# Altium PCB EMDO601_Patch.PcbDoc (part 1 of 3) (continued)
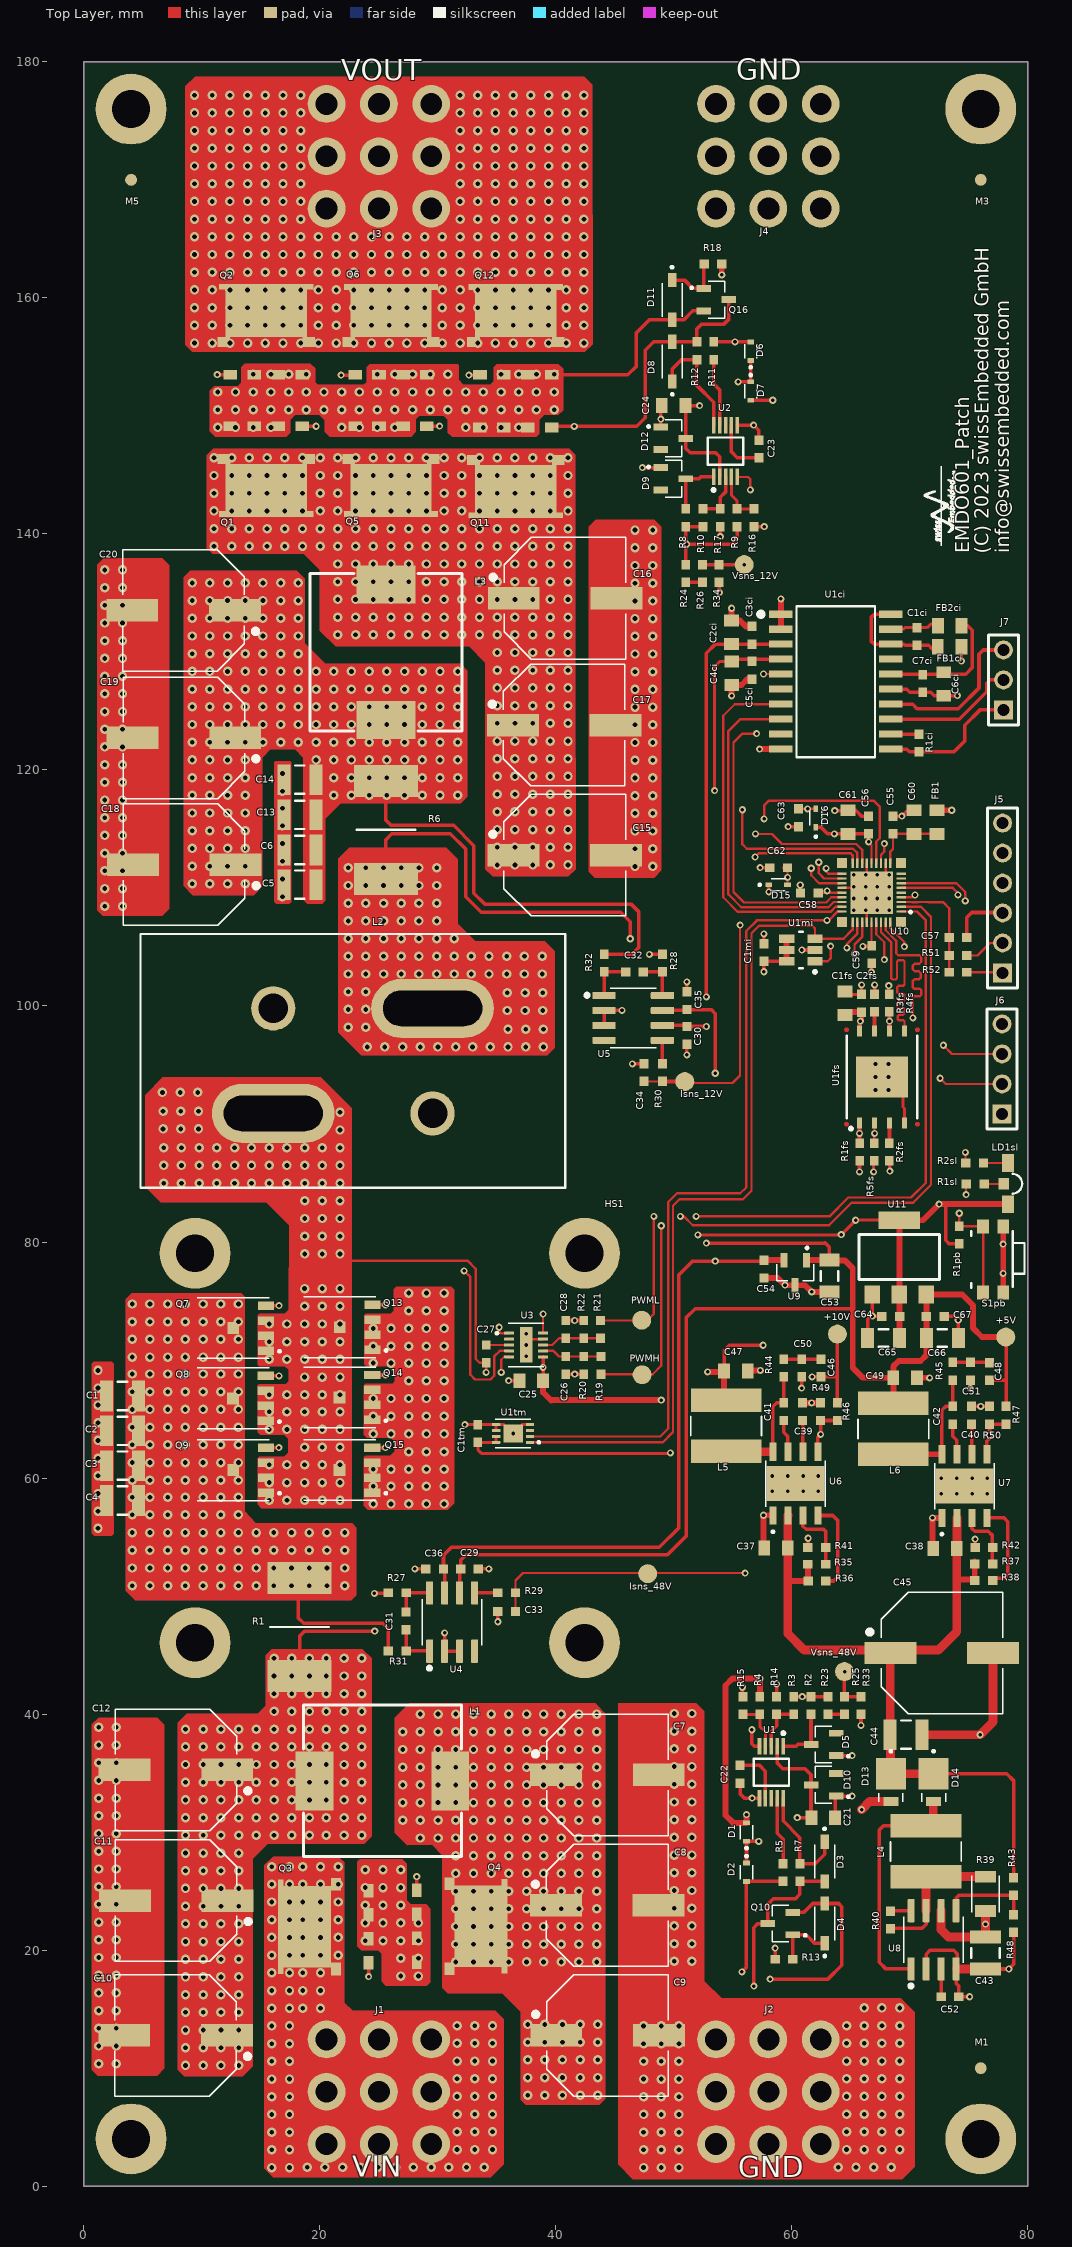
[diagram p0: Top Layer view]
## Components (designator, comment, footprint, x,y, rotation, side; value= is the part's Value field where it differs from the comment)
+5V "NO FIT" TP_1 78.125,71.95 r180 top value=TP
+10V "NO FIT" TP_1 63.85,72.2 r0 top value=TP
C1 "4.7u/75V" C1210 3.275,66.95 r180 top
C1ci "100n" C0603 70.588,131.305 r270 top
C1fs "10u" C0805 64.5,100.233 r270 top
C1mi "100n" C0603 57.625,104.528 r270 top
C1tm "100n" C0603 33.381,63.775 r270 top
C2 "4.7u/75V" C1210 3.275,64 r180 top
C2ci "10u" C0805 54.887,131.668 r270 top
C2fs "100n" C0603 65.9,100.233 r270 top
C3 "4.7u/75V" C1210 3.275,61.05 r180 top
C3ci "100n" C0603 56.612,131.418 r270 top
C4 "4.7u/75V" C1210 3.275,58.1 r180 top
C4ci "10u" C0805 54.894,128.2 r90 top
C5 "4.7u/75V" C1210 18.3,110.275 r180 top
C5ci "100n" C0603 56.619,128.45 r90 top
C6 "4.7u/75V" C1210 18.3,113.225 r180 top
C6ci "10u" C0805 72.863,127.28 r90 top
C7 "100uF/80V" CAP_80SXV47M 44.364,34.848 r0 top
C7ci "100n" C0603 71.088,127.33 r90 top
C8 "100uF/80V" CAP_80SXV47M 44.35,23.8 r0 top
C9 "100uF/80V" CAP_80SXV47M 44.375,12.775 r0 top
C10 "100uF/80V" CAP_80SXV47M 7.775,12.775 r180 top
C11 "100uF/80V" CAP_80SXV47M 7.825,24.2 r180 top
C12 "100uF/80V" CAP_80SXV47M 7.8,35.275 r180 top
C13 "4.7u/75V" C1210 18.3,116.2 r180 top
C14 "4.7u/75V" C1210 18.3,119.175 r180 top
C15 "100uF/63V" CAP_80SXV47M 40.75,112.775 r0 top
C16 "100uF/63V" CAP_80SXV47M 40.775,134.55 r0 top
C17 "100uF/63V" CAP_80SXV47M 40.7,123.8 r0 top
C18 "100uF/63V" CAP_80SXV47M 8.5,111.975 r180 top
C19 "100uF/63V" CAP_80SXV47M 8.475,122.725 r180 top
C20 "100uF/63V" CAP_80SXV47M 8.45,133.525 r180 top
C21 "10n/100V" C0805 62.65,31.225 r180 top
C22 "47n" C0603 55.6,34.9 r90 top
C23 "47n" C0603 57.2,147.2 r270 top
C24 "10n/100V" C0805 49.975,150.875 r0 top
C25 "10u/25V" C0805 37.91,68.25 r0 top
C26 "100pF" C0603 40.835,69.55 r270 top
C27 "100n" C0603 34.091,70.525 r90 top
C28 "100pF" C0603 40.835,72.6 r90 top
C29 "100n" C0603 32.675,52.3 r180 top
C30 "100n" C0603 51.1,97.51 r90 top
C31 "100n" C0603 27.3,47.9 r90 top
C32 "100n" C0603 46.65,102.885 r0 top
C33 "100n" C0603 35.825,48.7 r0 top
C34 "100n" C0603 47.45,94.36 r270 top
C35 "100n" C0603 51.1,100.45 r270 top
C36 "100n" C0603 29.725,52.3 r0 top
C37 "220nF/100V" C0805 58.65,54.075 r0 top
C38 "220nF/100V" C0805 72.965,54.02 r0 top
C39 "1uF" C0603 60.9,65.625 r270 top
C40 "1uF" C0603 75.225,65.325 r270 top
C41 "10nF/100V" C0603 59.3,65.625 r270 top
C42 "10nF/100V" C0603 73.625,65.325 r270 top
C43 "4.7u/75V" C1210 76.4,19.75 r90 top
C44 "4.7u/75V" C1210 69.675,38.25 r180 top
C45 "100uF/63V" CAP_80SXV47M 72.7,45.175 r0 top
C46 "3.3nF/100V" C0603 62.45,69.325 r90 top
C47 "10u/25V" C0805 55.25,69.075 r180 top
C48 "3.3nF/100V" C0603 76.725,69.025 r90 top
C49 "10u/25V" C0805 69.59,68.495 r180 top
C50 "10nF/100V" C0603 60.825,69.325 r90 top
C51 "10nF/100V" C0603 75.125,69.05 r90 top
C52 "390p" C0603 73.4,16.05 r180 top
C53 "10u" C1206 63.175,77.125 r90 top
C54 "100nF" C0603 57.625,77.7 r90 top
C55 "100n" C0603 68.568,115.333 r270 top
C56 "100n" C0603 66.493,115.333 r270 top
C57 "56pF" C0603 74.068,105.808 r0 top
C58 "100n" C0603 61.475,109.578 r0 top
C59 "100n" C0603 66.768,104.353 r90 top
C60 "22u/25V" C0805 70.343,115.583 r270 top
C61 "22u/25V" C0805 64.743,115.583 r270 top
C62 "1nF/50V" C0603 58.875,111.715 r0 top
C63 "1nF/50V" C0603 60.552,115.952 r90 top
C64 "100nF" C0603 68.367,73.697 r0 top
C65 "10u" C1206 67.767,71.872 r0 top
C66 "10u" C1206 72.742,71.872 r180 top
C67 "100nF" C0603 72.142,73.697 r180 top
D1 "BAS516,115" SOD523#1 56.15,30 r90 top
D2 "BAS516,115" SOD523#1 56.15,26.6 r270 top
D3 "1N4148W-7-F" SOD-123 62.775,27.5 r270 top
D4 "1N4148W-7-F" SOD-123 62.775,22.27 r90 top
D5 "68V" SOT23-3 62.675,37.425 r180 top
D6 "BAS516,115" SOD523#1 56.5,155.475 r90 top
D7 "BAS516,115" SOD523#1 56.5,152.1 r270 top
D8 "1N4148W-7-F" SOD-123 49.85,154.6 r90 top
D9 "68V" SOT23-3 49.95,144.675 r0 top
D10 "68V" SOT23-3 62.675,34 r180 top
D11 "1N4148W-7-F" SOD-123 49.85,159.83 r270 top
D12 "68V" SOT23-3 49.95,148.1 r0 top
D13 "V3PM10-M3/H" DO-220AA 68.375,34.252 r270 top
D14 "V3PM10-M3/H" DO-220AA 72,34.25 r270 top
D15 "SDM03U40-7" SOD523#2 58.835,110.262 r0 top
D16 "SDM03U40-7" SOD523#2 62.025,115.925 r90 top
FB1 "BLM21BD102SN1D" R0805 72.293,115.583 r90 top
FB1ci "BLM21BD102SN1D" R0805 73.36,130.432 r180 top
FB2ci "BLM21BD102SN1D" R0805 73.362,132.23 r180 top
HS1 "ATS-CPX040040020-115-C2-R0" HeatSink_ATS-CPX040040020-115-C2-R0 25.925,62.55 r0 top locked
Isns_12V "NO FIT" TP_1 50.925,93.6 r0 top value=TP
Isns_48V "NO FIT" TP_1 47.775,51.9 r90 top value=TP
J1 "74651194R" 74651194 25,8 r0 top
J2 "74651194R" 74651194 58,8 r0 top
J3 "74651194R" 74651194 25,172 r0 top
J4 "74651194R" 74651194 58,172 r0 top
J5 "61300611121" HEADER-2.54M-6PIN 77.85,102.8 r180 top
J6 "61300411121" HEADER-2.54M-4PIN 77.8,94.665 r180 top
J7 "61300311121" HEADER-2.54M-3PIN 77.925,125.085 r180 top
L1 "3.3uH/20.2A" IND_IHLP5050FDER3R3M5A 25.3,34.35 r180 top locked
L2 "3.3uH/75A" IND_7443763521033 22.8,95.35 r0 top locked
L3 "0.22uH/68A" IND_IHLP5050EZERR22M5A 25.6,129.975 r90 top
L4 "220uH" IND_SRN6045 71.35,28.375 r90 top
L5 "220uH" IND_SRN6045 54.425,64.425 r90 top
L6 "220uH" IND_SRN6045 68.59,64.17 r90 top
LD1sl "SM1204BC" SM1204BC 77.85,84.937 r0 top
M1 "Marker" PASSER-KREIS 76,10 r0 top value=NB
M2 "Marker" PASSER-KREIS 76,10 r180 bottom value=NB
M3 "Marker" PASSER-KREIS 76,170 r0 top value=NB
M4 "Marker" PASSER-KREIS 76,170 r180 bottom value=NB
M5 "Marker" PASSER-KREIS 4,170 r0 top value=NB
M6 "Marker" PASSER-KREIS 4,170 r180 bottom value=NB
PWMH "NO FIT" TP_1 47.3,68.75 r0 top value=TP
PWML "NO FIT" TP_1 47.275,73.375 r0 top value=TP
Q1 "SQJQ184E-T1_GE3" POWERPAK8X8L 15.46,145.405 r180 top
Q2 "SQJQ184E-T1_GE3" POWERPAK8X8L 15.455,157.22 r0 top
Q3 "SQJQ184E-T1_GE3" POWERPAK8X8L 20.405,21.99 r90 top
Q4 "SQJQ184E-T1_GE3" POWERPAK8X8L 31.925,22.025 r270 top
Q5 "SQJQ184E-T1_GE3" POWERPAK8X8L 26.025,145.4 r180 top
Q6 "SQJQ184E-T1_GE3" POWERPAK8X8L 26.025,157.2 r0 top
Q7 "SIDR5802EP-T1-RE3" "POWERPAK SO-8DC" 14.038,72.706 r90 top
Q8 "SIDR5802EP-T1-RE3" "POWERPAK SO-8DC" 14.033,66.751 r90 top
Q9 "SIDR5802EP-T1-RE3" "PowerPAK SO-8DC" 14.04,60.67 r90 top
Q10 "MMBTA06-7-F" SOT23-3 59.025,22.25 r180 top
Q11 "SQJQ184E-T1_GE3" POWERPAK8X8L 36.605,145.305 r180 top
Q12 "SQJQ184E-T1_GE3" POWERPAK8X8L 36.61,157.195 r0 top
Q13 "SIDR5802EP-T1-RE3" "POWERPAK SO-8DC" 23.066,72.778 r90 top
Q14 "SIDR5802EP-T1-RE3" "POWERPAK SO-8DC" 23.053,66.831 r90 top
Q15 "SIDR5802EP-T1-RE3" "PowerPAK SO-8DC" 23.05,60.675 r90 top
Q16 "MMBTA06-7-F" SOT23-3 53.6,159.85 r0 top
R1 "2mR" R3921 18.275,47.375 r90 top
R1ci "47k" R0603 70.763,122.28 r90 top
R1fs "4.7k" R0603 65.75,87.633 r270 top
R1pb "4.7k" R0603 74.175,80.587 r270 top
R1sl "270" R0603 75.529,84.916 r0 top
R2 "2.87k" R0603 61.625,40.725 r90 top
R2fs "10k" R0603 68.25,87.633 r270 top
R2sl "270" R0603 75.479,86.691 r0 top
R3 "100k" R0603 60.15,40.725 r90 top
R3fs "10k" R0603 67,100.258 r90 top
R4 "100k" R0603 57.275,40.725 r90 top
R4fs "4.7k" R0603 68.25,100.257 r270 top
R5 "20.5k" R0603 59.25,26.575 r270 top
R5fs "10k" R0603 66.975,87.633 r90 top
R6 "0.5mR" R3921 25.6,114.925 r90 top
R7 "2k" R0603 60.675,26.575 r270 top
R8 "3.9k" R0603 51,141.375 r270 top
R9 "20.5k" R0603 55.35,141.375 r270 top
R10 "35.7k" R0603 52.475,141.375 r270 top
R11 "5.1k" R0603 53.375,155.525 r90 top
R12 "2k" R0603 51.95,155.525 r270 top
R13 "330k" R0603 59.325,19.225 r0 top
R14 "3.6k" R0603 58.7,40.725 r270 top
R15 "5.1k" R0603 55.85,40.725 r270 top
R16 "5.1k" R0603 56.775,141.375 r90 top
R17 "5.1k" R0603 53.925,141.375 r90 top
R18 "330k" R0603 53.3,162.875 r180 top
R19 "2.2R" R0603 43.81,69.55 r90 top
R20 "10k" R0603 42.36,69.55 r90 top
R21 "2.2R" R0603 43.785,72.6 r270 top
R22 "10k" R0603 42.36,72.6 r270 top
R23 "20R" R0603 63.05,40.725 r270 top
R24 "20R" R0603 51.006,136.65 r270 top
R25 "100k" R0603 64.45,40.725 r270 top
R26 "100k" R0603 52.406,136.65 r270 top
R27 "10R" R0603 26.55,50.275 r0 top
R28 "10R" R0603 49.025,103.635 r270 top
R29 "10k" R0603 35.825,50.275 r0 top
R30 "10k" R0603 49.025,94.36 r270 top
R31 "10R" R0603 26.55,45.35 r0 top
R32 "10R" R0603 44.1,103.635 r270 top
R33 "5.36k" R0603 65.85,40.725 r270 top
R34 "5.36k" R0603 53.831,136.65 r270 top
R35 "43.2k" R0603 62.1,52.7 r0 top
R36 "332k" R0603 62.125,51.275 r0 top
R37 "43.2k" R0603 76.25,52.725 r0 top
R38 "332k" R0603 76.25,51.325 r0 top
R39 "0.5R" R1206 76.4,24.75 r90 top
R40 "180R" R0603 68.35,22.55 r90 top
R41 "7.87k" R0603 62.1,54.125 r180 top
R42 "7.87k" R0603 76.265,54.114 r180 top
R43 "47k" R0603 78.775,25.4 r90 top
R44 "51k" R0603 59.3,69.325 r90 top
R45 "51k" R0603 73.625,69.05 r90 top
R46 "6.98k" R0603 63.85,65.625 r90 top
R47 "3k" R0603 78.125,65.325 r90 top
R48 "2.2k" R0603 78.775,22.25 r90 top
R49 "1k" R0603 62.425,65.625 r90 top
R50 "1k" R0603 76.725,65.325 r90 top
R51 "10k" R0603 74.068,104.283 r180 top
R52 "100R" R0603 74.068,102.858 r180 top
S1pb "434 351 045 816" "SW WURTH" 77.05,78.512 r90 top
U1 "LM5060Q1MMX/NOPB" MSOP-10 58.25,35.075 r270 top
U1ci "ADM3057EBRWZ" SOIC-20 63.713,127.48 r0 top
U1fs "MT25QL512ABB1EW9-0SIT" SON127P800X600X80-9N-D 67.63,93.983 r90 top
U1mi "24AA025E48T-I/OT" MCHP-SOT-23-OT6_M 60.75,104.742 r180 top
U1tm "MCP9808T-E/MC" DFN-8 36.371,63.775 r180 top
U2 "LM5060Q1MMX/NOPB" MSOP-10 54.375,147.025 r90 top
U3 "LM5108DRCT" VSON-10 37.475,71.275 r0 top
U4 "INA240A2QDRQ1" SOIC-8 31.2,47.8 r90 top
U5 "INA240A2QDRQ1" SOIC-8 46.55,98.985 r0 top
U6 "LM5018MR/NOPB" SOIC-8(EPAD) 60.29,59.525 r90 top
U7 "LM5018MR/NOPB" SOIC-8(EPAD) 74.61,59.32 r90 top
U8 "MC33063AQDRQ1" SOIC-8 72,20.875 r90 top
U9 "REF3133AIDBZTG4" SOT23-3 60.275,77.4 r270 top
U10 "dsPIC33CK256MP503-E/M5" UQFN-36 66.743,109.608 r180 top
U11 "NCV1117ST33T3G" SOT223-3 66.817,75.547 r0 top
Vsns_12V "NO FIT" TP_1 55.95,137.4 r0 top value=TP
Vsns_48V "NO FIT" TP_1 64.45,43.6 r0 top value=TP

## Footprints (in the part's own frame and the unit in brackets; to place one, negate y for a bottom-side part, rotate by r counter-clockwise, add the part's x,y. Pads: shape width x height; smd on the part's side, far side on the other; paste and mask are expansions set on the pad)
74651194 [mm] "Shank, THR, 9 pins, 10x10mm, M4, thread 5mm"
  round 3.2 hole 1.85: 1(-4.435,-4.435) 1(-4.435,0) 1(-4.435,4.435) 1(0,-4.435) 1(0,0) 1(0,4.435) 1(4.435,-4.435) 1(4.435,0) 1(4.435,4.435)
  body extent -5,-5 5,5, height 8.5
C0603 [mm] "CAPACITOR SMD 0603"
  rect 0.8x0.75 smd: 1(-0.75,0) 2(0.75,0)
  body extent -1,-0.39 1,0.39, height 0.79
C0805 [mm]
  rect 1x1.25 smd: 1(-1,0) 2(1,0)
  body extent -1.25,-0.62 1.25,0.62, height 0.79
C1206 [mm] "Chip Capacitor, Body 3.2x1.6mm, IPC High Density"
  rect 1.1x1.7 smd: 1(-1.35,0) 2(1.35,0)
  silkscreen extent -0.4,-0.75 0.4,0.75, body extent -1.7,-0.9 1.7,0.9, height 1.3
C1210 [mm] "Chip Capacitor, Body 3.2x2.5mm, IPC High Density"
  rect 1.1x2.6 smd: 1(-1.35,0) 2(1.35,0)
  silkscreen extent -0.4,-1.2 0.4,1.2, body extent -1.7,-1.35 1.7,1.35, height 1.3
CAP_80SXV47M [mm]
  rect 4.4x1.9 smd: 1(-4.35,0) 2(4.35,0)
  silkscreen extent -6.3,-5.15 5.15,5.15, body extent -5.5,-5.15 5.5,5.15, height 12.6
DFN-8 [mm]
  rect 1.64x1.5 smd paste-0.312: 0(0,0)
  rrect25% 0.7x0.26 smd: 1(-1.435,0.75) 2(-1.435,0.25) 3(-1.435,-0.25) 4(-1.435,-0.75) 5(1.435,-0.75) 6(1.435,-0.25) 7(1.435,0.25) 8(1.435,0.75)
  silkscreen extent -2.28,-1.2 1.5,1.2, body extent -1.5,-1 1.5,1, height 1
DO-220AA [mil]
  rect 30x50 smd: A(65.06,0)
  rect 105.12x100 smd paste-78.74: C(-27.5,0)
  silkscreen extent -106,-40 67,40, body extent -76,-39 75,39, height 45
HEADER-2.54M-3PIN [mm] "Socket Header, Pitch 2.00 mm, SMT, Vertical, dual row, 10p"
  rect 1.6x1.6 hole 1: 1(0,0)
  round 1.6 hole 1: 2(0,-2.54) 3(0,-5.08)
  silkscreen extent -1.27,-6.35 1.27,1.27, body extent -1.27,-6.35 1.27,1.27, height 8.69
HEADER-2.54M-4PIN [mm]
  rect 1.6x1.6 hole 1: 1(0,3.81)
  round 1.6 hole 1: 2(0,1.27) 3(0,-1.27) 4(0,-3.81)
  silkscreen extent -1.27,-5.08 1.27,5.08, body extent -1.27,-5.08 1.27,5.08, height 8.54
HEADER-2.54M-6PIN [mm] "Socket Header, Pitch 2.00 mm, SMT, Vertical, dual row, 10p"
  rect 1.6x1.6 hole 1: 1(0,0)
  round 1.6 hole 1: 2(0,-2.54) 3(0,-5.08) 4(0,-7.62) 5(0,-10.16) 6(0,-12.7)
  silkscreen extent -1.27,-13.97 1.27,1.27, body extent -1.27,-13.97 1.27,1.27, height 8.69
HeatSink_ATS-CPX040040020-115-C2-R0 [mm]
  round 6 hole 3.2: 0(-16.5,-16.5) 0(-16.5,16.5) 0(16.5,-16.5) 0(16.5,16.5)
  body extent -20.05,-20.12 19.95,19.88, height 12.29
IND_7443763521033 [mm] "THT High Current Inductor, body 36x21.5mm"
  oval 10.4x5 hole 3 slot 8.4 at 0 deg: 1(-6.75,-4.45) 2(6.75,4.45)
  round 3.75 hole 2.5: MH1(-6.75,4.45) MH2(6.75,-4.45)
  silkscreen extent -18,-10.75 18,10.75, body extent -17.6,-10.25 17.6,10.25, height 33.45
IND_IHLP5050EZERR22M5A [mm]
  rect 3.2x5 smd: 1(-5.75,0) 2(5.75,0)
  silkscreen extent -6.68,-6.42 6.68,6.43, body extent -6.68,-6.22 6.68,6.63, height 6.29
IND_IHLP5050FDER3R3M5A [mm]
  rect 3.2x5 smd: 1(-5.75,0) 2(5.75,0)
  silkscreen extent -6.68,-6.42 6.68,6.43, body extent -6.68,-6.22 6.68,6.63, height 6.29
IND_SRN6045 [mil]
  rect 79x236 smd: 1(-85,0) 2(85,0)
  silkscreen extent -32,-118 32,118, body extent -118,-118 118,118, height 177
MCHP-SOT-23-OT6_M [mm] "SOT23, 6-Leads, Body 2.9x1.55mm, Pitch 0.95mm, IPC Low Density"
  rect 1.3x0.7 smd: 1(-1.2,0.95) 2(-1.2,0) 3(-1.2,-0.95) 4(1.2,-0.95) 5(1.2,0) 6(1.2,0.95)
  silkscreen extent -1.32,-1.55 0.15,1.97, body extent -0.9,-1.55 0.9,1.55, height 1.45
MSOP-10 [mm]
  rect 1.4x0.3 smd: 1(-2.2,1) 2(-2.2,0.5) 3(-2.2,0) 4(-2.2,-0.5) 5(-2.2,-1) 6(2.2,-1) 7(2.2,-0.5) 8(2.2,0) 9(2.2,0.5) 10(2.2,1)
  silkscreen extent -3.43,-1.5 1.15,1.5, body extent -2.46,-1.5 2.46,1.5, height 1.06
PASSER-KREIS [mm]
  round 1 smd paste-0.5 mask+0.05: 1(0,0)
  Top Layer pour cut-out: -1.5,1.5 1.5,1.5 1.5,-1.5 -1.5,-1.5
POWERPAK8X8L [mm]
  rect 0.55x0.5 smd: D(-3.725,3.72) D(3.725,3.72)
  rect 1.07x0.85 smd: D(-3.59,-0.945) D(3.59,-0.945)
  rect 6.9x4.49 smd: D(0,1.725)
  rect 1.15x0.82 smd: G(-3.045,-3.72) S(-1.015,-3.72) S(1.015,-3.72) S(3.045,-3.72)
  body extent -4,-4.13 4,3.87, height 1
"POWERPAK SO-8DC" [mm]
  rect 1x1 smd: D(0,1.385)
  rect 0.71x1.372 smd paste-2: G(1.905,-1.385) S(-1.905,-1.385) S(-0.635,-1.385) S(0.635,-1.385)
  Top Layer region: -1.55,4.841 -1.55,4.251 -0.99,4.251 -0.99,4.841 -0.28,4.841 -0.28,4.251 0.28,4.251 0.28,4.841 0.99,4.841 0.99,4.251 1.55,4.251 1.55,4.841 2.26,4.841 2.26,0.401 -2.26,0.401 -2.26,4.841
  silkscreen extent -2.57,-2.64 2.58,4.44, body extent -2.5,-1.62 2.5,4.39, height 1.05
"PowerPAK SO-8DC" [mm]
  rect 1x1 smd: D(0,1.385)
  rect 0.71x1.372 smd paste-2: G(1.905,-1.385) S(-1.905,-1.385) S(-0.635,-1.385) S(0.635,-1.385)
  Top Layer region: -1.55,4.841 -1.55,4.251 -0.99,4.251 -0.99,4.841 -0.28,4.841 -0.28,4.251 0.28,4.251 0.28,4.841 0.99,4.841 0.99,4.251 1.55,4.251 1.55,4.841 2.26,4.841 2.26,0.401 -2.26,0.401 -2.26,4.841
  silkscreen extent -2.57,-2.64 2.58,4.44, body extent -2.5,-1.62 2.5,4.39, height 1.05
R0603 [mm] "RESISTOR SMD 0603"
  rect 0.8x0.75 smd: 1(-0.75,0) 2(0.75,0)
  body extent -1,-0.39 1,0.39, height 0.79
R0805 [mm]
  rect 1x1.3 smd: 1(-1,0) 2(1,0)
  body extent -1.06,-0.63 0.96,0.64, height 0.61
R1206 [mm]
  rect 1.02x1.8 smd: 1(-1.455,0)
  rect 0.97x1.8 smd: 2(1.48,0)
  silkscreen extent -1.55,-1.18 1.55,1.18, body extent -1.59,-0.9 1.59,0.9, height 1.51
R3921 [mm]
  rect 2.7x5.45 smd: 1(-4.15,0) 2(4.15,0)
  silkscreen extent 0,-2.5 0,2.5, body extent -5,-2.54 5,2.66, height 1.19
SM1204BC [mm] "LED"
  rect 1x1.5 smd: 1(0.45,-1.75) 3(0.45,1.75)
  rect 0.9x1 smd: 2(0.1,0)
  silkscreen extent 0.85,-0.85 1.65,0.85, body extent 0.35,-1.6 1.84,1.6, height 0.99
SOD523#1 [mm]
  rect 0.4x0.56 smd: A(0.785,0) C(-0.785,0)
  silkscreen extent -1.46,-0.52 0.6,0.52, body extent -0.8,-0.4 0.8,0.4, height 0.65
SOD523#2 [mm]
  rect 0.56x0.4 smd: A(0.785,0) C(-0.785,0)
  silkscreen extent -1.67,-0.52 0.6,0.52, body extent -0.8,-0.4 0.8,0.4, height 0.65
SOD-123 [mm]
  rect 1.21x0.73 smd: A(1.68,0) C(-1.68,0)
  silkscreen extent -2.87,-0.85 1.43,0.85, body extent -1.83,-0.77 1.83,0.77, height 1.5
SOIC-8 [mm]
  rrect25% 1.97x0.6 smd: 1(-2.47,1.905) 2(-2.47,0.635) 3(-2.47,-0.635) 4(-2.47,-1.905) 5(2.47,-1.905) 6(2.47,-0.635) 7(2.47,0.635) 8(2.47,1.905)
  silkscreen extent -4.06,-2.52 1.95,2.52, body extent -3,-2.45 3,2.45, height 1.75
SOIC-8(EPAD) [mm]
  rrect5% 1.55x0.6 smd mask+0: 1(-2.7,1.905) 2(-2.7,0.635) 3(-2.7,-0.635) 4(-2.7,-1.905) 5(2.7,-1.905) 6(2.7,-0.635) 7(2.7,0.635) 8(2.7,1.905)
  round 0.6 hole 0.3: 9(-0.65,1.95) 9(-0.65,-0.65) 9(-0.65,0.65) 9(-0.65,-1.95) 9(0.65,0.65) 9(0.65,1.95) 9(0.65,-0.65) 9(0.65,-1.95)
  rect 2.95x4.9 smd paste-3 mask+0: 9(0,0)
  silkscreen extent -4.17,-2.52 1.95,2.52, body extent -3,-2.45 3,2.45, height 1.7
SOIC-20 [mm]
  rect 2x0.6 smd: 1(-4.65,5.715) 2(-4.65,4.445) 3(-4.65,3.175) 4(-4.65,1.905) 5(-4.65,0.635) 6(-4.65,-0.635) 7(-4.65,-1.905) 8(-4.65,-3.175) 9(-4.65,-4.445) 10(-4.65,-5.715) 11(4.65,-5.715) 12(4.65,-4.445) 13(4.65,-3.175) 14(4.65,-1.905) 15(4.65,-0.635) 16(4.65,0.635) 17(4.65,1.905) 18(4.65,3.175) 19(4.65,4.445) 20(4.65,5.715)
  silkscreen extent -6.55,-6.4 3.32,6.4, body extent -5.16,-6.4 5.16,6.4, height 2.65
SON127P800X600X80-9N-D [mm]
  rect 3.5x4.4 smd paste-4.4: 0(0,0)
  rect 0.95x0.45 smd: 1(-3.9,1.905) 2(-3.9,0.635) 3(-3.9,-0.635) 4(-3.9,-1.905) 5(3.9,-1.905) 6(3.9,-0.635) 7(3.9,0.635) 8(3.9,1.905)
  Top Layer circle w0.2: c4,3 r0.1
  Top Layer circle w0.2: c4,-3 r0.1
  Top Layer circle w0.2: c-4,-3 r0.1
  Top Layer circle w0.2: c-4,3 r0.1
  silkscreen extent -4.5,-3 3.5,3, body extent -4.05,-3 4.05,3, height 0.8
SOT23-3 [mm]
  rect 1.23x0.59 smd: 1(-1.06,0.95) 2(-1.06,-0.95) 3(1.06,0)
  silkscreen extent -2.2,-1.56 0.7,1.56, body extent -1.2,-1.45 1.1,1.45, height 1.1
SOT223-3 [mm]
  rect 1.3x1.5 smd: 1(0,0) 2(2.286,0) 3(4.572,0)
  rect 3.5x1.5 smd: 4(2.286,6.299)
  silkscreen extent -1.12,1.27 5.69,5.08, body extent -1,-0.3 5.5,6.63, height 1.64
"SW WURTH" [mm] "Wurth Switch"
  rect 1.2x1 smd: 1(2.8,0.85) 2(2.8,-0.85) 3(-2.8,0.85) 4(-2.8,-0.85)
  silkscreen extent -2.4,-2.65 2.4,1.85, body extent -2.3,-1.65 2.3,1.75, height 1.65
TP_1 [mm] "Testpoint"
  round 1.6 smd: 1(0,0)
UQFN-36 [mm]
  rect 0.85x0.85 smd: 0(-2.5,2.5) 0(-2.5,-2.5) 0(2.5,2.5) 0(2.5,-2.5)
  rect 0.8x0.2 smd: 1(-2.5,1.6) 2(-2.5,1.2) 3(-2.5,0.8) 4(-2.5,0.4) 5(-2.5,0) 6(-2.5,-0.4) 7(-2.5,-0.8) 8(-2.5,-1.2) 9(-2.5,-1.6) 19(2.5,-1.6) 20(2.5,-1.2) 21(2.5,-0.8) 22(2.5,-0.4) 23(2.5,0) 24(2.5,0.4) 25(2.5,0.8) 26(2.5,1.2) 27(2.5,1.6)
  rect 0.2x0.8 smd: 10(-1.6,-2.5) 11(-1.2,-2.5) 12(-0.8,-2.5) 13(-0.4,-2.5) 14(0,-2.5) 15(0.4,-2.5) 16(0.8,-2.5) 17(1.2,-2.5) 18(1.6,-2.5) 28(1.6,2.5) 29(1.2,2.5) 30(0.8,2.5) 31(0.4,2.5) 32(0,2.5) 33(-0.4,2.5) 34(-0.8,2.5) 35(-1.2,2.5) 36(-1.6,2.5)
  round 0.6 hole 0.3: 37(-1.5,1.5) 37(-1.5,-0.5) 37(-1.5,0.5) 37(-1.5,-1.5) 37(-0.5,1.5) 37(-0.5,0.5) 37(-0.5,-0.5) 37(-0.5,-1.5) 37(0.5,1.5) 37(0.5,0.5) 37(0.5,-0.5) 37(0.5,-1.5) 37(1.5,1.5) 37(1.5,-0.5) 37(1.5,0.5) 37(1.5,-1.5)
  rect 3.6x3.6 smd paste-3: 37(0,0)
  silkscreen extent -3.4,1.55 -3.2,1.75, body extent -2.5,-2.5 2.5,2.5, height 1
VSON-10 [mm]
  rrect25% 0.84x0.26 smd: 1(-1.435,1) 2(-1.435,0.5) 3(-1.435,0) 4(-1.435,-0.5) 5(-1.435,-1) 6(1.435,-1) 7(1.435,-0.5) 8(1.435,0) 9(1.435,0.5) 10(1.435,1)
  rect 1.05x3.01 smd paste-3: 11(0,0)
  silkscreen extent -2.57,-1.83 1.5,1.83, body extent -1.5,-1.5 1.5,1.5, height 1

## Part data
+5V +10V Isns_12V Isns_48V PWMH PWML Vsns_12V Vsns_48V: library part TP, "Testpoint", Manufacturer=None, Manufacturer Part Number="Testpads, do not populate"
C1 C2 C3 C4 C5 C6 C13 C14 C43 C44: library part C3225X7R1N106K250AC, "4.7uF ±10% 75V", Manufacturer=TDK, Supplier Part Number=810-C3225X7R1N106K25, Manufacturer Part Number=C3225X7R1N106K250AC, Price=0.9, Supplier=mouser
C1ci C3ci C5ci C7ci C27 C29 C30 C31 C32 C33 C34 C35 C36 C55 C56 C58 C59: library part CAP_YAG_CC0603KRX7R9BB104_X7R, "100nF ±10% 50V", Manufacturer=Yageo, Manufacturer Part Number=CC0603KRX7R9BB104, Package / Case=0603, Supplier Part Number=603-CC0603KRX7R9BB104, Tolerance=+-10%, Voltage (V)=50, Capacitor (Farad)=100n, Category=Capacitor, Part Number=CAP_YAG_CC0603KRX7R9BB104_X7R, Price=0.1, Supplier=mouser, Thickness (mm)=0.8, Type=X7R
C1fs C2ci C4ci C6ci: library part CAP_YAG_CC0805KRX5R6BB106_X5R, "Capacitor 10u 0805 +-10% 10V", Manufacturer=Yageo, Manufacturer Part Number=CC0805KRX5R6BB106, Package / Case=0805, Supplier Part Number=603-CC805KRX5R6BB106, Tolerance=+-10%, Voltage (V)=10, Capacitor (Farad)=10u, Category=Capacitor, Part Number=CAP_YAG_CC0805KRX5R6BB106_X5R, Price=0.2, Supplier=Mouser, Thickness (mm)=1.25, Type=X5R
C1mi C1tm C2fs: library part CAP_YAG_CC0603KRX7R9BB104_X7R, "Capacitor 100n 0603 +-10% 50V", Manufacturer=Yageo, Manufacturer Part Number=CC0603KRX7R9BB104, Package / Case=0603, Tolerance=+-10%, Voltage (V)=50, Capacitor (Farad)=100n, Category=Capacitor, Part Number=CAP_YAG_CC0603KRX7R9BB104_X7R, Thickness (mm)=0.8, Type=X7R
C7 C8 C9 C10 C11 C12: library part "100uF ±20% 80V", "100uF ±20% 80V", Manufacturer="Vishay / BC Components", Manufacturer Part Number=MAL215099702E3, Supplier Part Number=594-MAL215099702E3, Price=2.4, Supplier=Mouser
C15 C16 C17 C18 C19 C20 C45: library part "Cap Pol1", "100uF ±20% 63V", Manufacturer=KEMET, Manufacturer Part Number=A771MS107M1JLAS018, Supplier Part Number=80-A771MS107M1JLAS18, Price=1.26, Supplier=mouser
C21 C24: library part "10nF ±10% 100V", "10nF ±10% 100V", Capacitor (Farad)=10n, Manufacturer=Yageo, Manufacturer Part Number=CC0805KPX7R0BB103, Package / Case=0603, Supplier Part Number=603-CC0805KPX7R0BB103, Tolerance=+-10%, Voltage (V)=100, Category=Capacitor, Price=0.1, Supplier=mouser, Thickness (mm)=0.8, Type=X7R
C22 C23: library part "47nF ±10% 50V", "47nF ±10% 50V", Manufacturer=Yageo, Manufacturer Part Number=CC0603KRX7R9BB473, Package / Case=0603, Supplier Part Number=603-CC0603KRX7R9BB473, Tolerance=+-10%, Voltage (V)=50, Capacitor (Farad)=47n, Category=Capacitor, Price=0.1, Supplier=mouser, Thickness (mm)=0.8, Type=X7R
C25 C47 C49: library part CAP, "10uF ±10% 25V", Manufacturer=Yageo, Manufacturer Part Number=CC0805KKX5R8BB106, Supplier Part Number=603-CC0805KKX5R8BB106, Price=0.3, Supplier=mouser
C26 C28: library part CAP, "100pF ±10% 50V", Manufacturer=Yageo, Manufacturer Part Number=CC0603KRNPO9BN101, Supplier Part Number=603-CC0603KRNPO9BN101, Price=0.1, Supplier=mouser
C37 C38: library part CAP, "220nF ±10% 100V", Manufacturer=Yageo, Manufacturer Part Number=CC0805KKX7R0BB224, Supplier Part Number=603-CC805KKX7R0BB224, Price=0.26, Supplier=mouser
C39 C40: library part CAP, "1uF ±10% 50V", Manufacturer=Yageo, Manufacturer Part Number=CC0603KRX7R9BB105, Supplier Part Number=603-CC603KRX7R9BB105, Price=0.4, Supplier=mouser
C41 C42 C50 C51: library part CAP, "10nF ±10% 100V", Manufacturer=Yageo, Manufacturer Part Number=CC0603KRX7R0BB103, Supplier Part Number=603-CC603KRX7R0BB103, Price=0.1, Supplier=mouser
C46 C48: library part CAP, "3.3nF ±10% 100V", Manufacturer=Yageo, Manufacturer Part Number=CC0603KRX7R0BB332, Supplier Part Number=603-CC603KRX7R0BB332, Price=0.1, Supplier=mouser
C52: library part "390pF ±10% 50V", "390pF ±10% 50V", Manufacturer=Yageo, Manufacturer Part Number=C0603JRNPO9BN391, Package / Case=0603, Supplier Part Number=603-C0603JRNPO9BN391, Tolerance=+-5%, Voltage (V)=50, Capacitor (Farad)=390p, Category=Capacitor, Price=0.1, Supplier=mouser, Thickness (mm)=0.8
C53 C65 C66: library part "10uF ± 10% 25V", "10uF ± 10% 25V", Manufacturer=Yageo, Manufacturer Part Number=CC1206KKX7R8BB106, Supplier Part Number=603-CC126KKX7R8BB106, Tolerance=+-10%, Voltage (V)=25, Category=Capacitor, Price=0.44, Supplier=Mouser, Type=X7R
C54 C64 C67: library part "100nF ± 10% 50V", "100nF ± 10% 50V", Manufacturer=Yageo, Manufacturer Part Number=CC0603KRX7R9BB104, Supplier Part Number=603-CC603KRX7R9BB104, Price=0.1, Supplier=Mouser
C57: library part CAP, "330pF ± 5% 50V", Manufacturer=Yageo, Manufacturer Part Number=CC0603JRNPO9BN560, Supplier Part Number=603-CC603JRNPO9BN560, Price=0.1, Supplier=mouser
C60 C61: library part CAP, "22uF ±10% 25V", Manufacturer=Yageo, Manufacturer Part Number=CC0805MKX5R8BB226, Supplier Part Number=603-CC805MKX5R8BB226, Price=0.4, Supplier=mouser
C62 C63: library part CAP, "1nF ±10% 50V", Manufacturer=Yageo, Manufacturer Part Number=CC0603KRNPO9BN102, Supplier Part Number=603-CC0603KRNPO9BN102, Price=0.1, Supplier=mouser
D1 D2 D6 D7: "Diodes - General Purpose, Power, Switching BAS516/SOD523/SC-79", Manufacturer=Nexperia, Supplier Part Number=771-BAS516-T/R, Manufacturer Part Number=BAS516,115, Price=0.2, Supplier=mouser
D3 D4 D8 D11: "Diode Standard 100 V 300mA (DC) Surface Mount SOD-123", Manufacturer=Diodes, Supplier Part Number=621-1N4148W-F, Manufacturer Part Number=1N4148W-7-F, Price=0.2, Supplier=mouser
D5 D9 D10 D12: library part BZX8450-C68R, "Zener Diodes BZX8450-C68/SOT23/TO-236AB", Manufacturer=Nexperia, Supplier Part Number=771-BZX8450-C68R, Manufacturer Part Number=BZX8450-C68R, Price=0.2, Supplier=mouser
D13 D14: "Schottky Diodes & Rectifiers 100V 3A TMBS SMP", Manufacturer=Vishay, Supplier Part Number=78-V3PM10-M3/H, Manufacturer Part Number=V3PM10-M3/H, Price=0.4, Supplier=mouser
D15 D16: "Schottky Diodes & Rectifiers 40V 150mW", Manufacturer="Diodes Incorporated", Supplier Part Number=621-SDM03U40-F, Manufacturer Part Number=SDM03U40-7, Price=0.23, Supplier=mouser
FB1 FB1ci FB2ci: library part SMD_FB, "FERRITE BEAD 1 KOHM 0805 1LN", Manufacturer="Murata Electronics", Supplier Part Number=81-BLM21B102S, Manufacturer Part Number=BLM21BD102SN1D, Price=0.15, Supplier=mouser
HS1: "Heat Sinks pushPIN Heat Sink, Blue-Anodized, 40x40x20mm", Manufacturer="Advanced Thermal Solutions", Supplier Part Number=984-CPX04004-115C2R0, Manufacturer Part Number=ATS-CPX040040020-115-C2-R0, Price=3.6, Supplier=mouser
J1 J2 J3 J4: "WP-THRSH REDCUBE THR with external thread, M4 x 5mm, 85A", Manufacturer="Wurth Elektronik", Operating Temperature Max=150°C, Operating Temperature Min=-55°C, Rated Current=85A, Supplier Part Number=710-74651195R, Category="REDCUBE THR", ComponentLink1Description="Website Link", ComponentLink1URL=https://www.we-online.com/redexpert/article/74651194R?ad, ComponentLink2Description="Datasheet Link", ComponentLink2URL=https://www.we-online.com/redexpert/spec/74651194R?ad, Height=8.5mm, Length=10mm, Manufacturer Part Number=74651194R, Match Code=WP-THRSH, Material=Brass, Mount="Through Hole Reflow", Number of Pins=9, Packaging="Tape and Reel", Price=3.5, Supplier=Mouser, Surface=Tin, Thread Length=5mm, Thread Size=M4, Width=10mm
J5: library part 6PinConnector, "6 Pins 2.54mm Pitch Male Connector", Manufacturer="Wurth Elektronik", Supplier Part Number=710-61300611121, Manufacturer Part Number=61300611121, Price=0.33, Supplier=mouser
J6: "Headers & Wire Housings WR-PHD 2.54mm Hdr 4P Single Str Gold", Manufacturer=Wurth, Supplier Part Number=710-61300411121, Manufacturer Part Number=61300411121, Price=0.2, Supplier=Mouser
J7: "Headers & Wire Housings WR-PHD 2.54mm Hdr 3P Single Str Gold", Manufacturer=Wurth, Supplier Part Number=710-61300311121, Manufacturer Part Number=61300311121, Price=0.13, Supplier=Mouser
L1: library part IHLP5050FDER3R3M5A, "Power Inductors - SMD 3.3uH 20% High Temp AEC-Q200", Manufacturer=Vishay, Supplier Part Number=70-IHLP5050FDR3R3M5A, Manufacturer Part Number=IHLP5050FDER3R3M5A, Price=2.12, Supplier=mouser
L2: library part 7443763521033, "Power Inductors - Leaded WE-HCFT 3521 3.3uH 20% 75A 0.4mOh", Manufacturer="Wurth Elektronik", Supplier Part Number=710-7443763521033, Manufacturer Part Number=7443763521033, Price=12, Supplier=mouser
L3: library part IHLP5050EZERR22M5A, "Power Inductors - SMD 0.22uH 20% High Temp AEC-Q200", Manufacturer=Vishay, Supplier Part Number=70-IHLP5050EZRR22M5A, Manufacturer Part Number=IHLP5050EZERR22M5A, Price=2.4, Supplier=mouser
L4 L5 L6: library part Inductor, "Power Inductors - SMD 220uH 20% SMD 6045", Manufacturer=Bourns, Manufacturer Part Number=SRN6045-221M, Supplier Part Number=652-SRN6045-221M, Price=0.5, Supplier=mouser
LD1sl: "LED GREEN/RED WTR CLEAR 1204 SM1204BC Bivar", Manufacturer="Bivar Inc", ComponentLink1Description=http://www.bivar.com/portals/0/products/SM1204BC.pdf, ComponentLink1URL=http://www.bivar.com/portals/0/products/SM1204BC.pdf, Manufacturer Part Number=SM1204BC, Price=0.6, Supplier=Mouser, Supplier Part Number=SM1204BC
M1 M2 M3 M4 M5 M6: library part M, Text Field2=-1
Q1 Q2 Q3 Q4 Q5 Q6 Q11 Q12: "MOSFET N-Ch 80V 430A", Manufacturer="Vishay Semiconductors", Supplier Part Number=78-SQJQ184E-T1_GE3, Manufacturer Part Number=SQJQ184E-T1_GE3, Price=3.4, Supplier=mouser
Q7 Q8 Q9 Q13 Q14 Q15: "MOSFET N-Ch 80V 153A, 28nC", Manufacturer="Vishay Semiconductors", Supplier Part Number=78-SIDR5802EP-T1-RE3, Manufacturer Part Number=SIDR5802EP-T1-RE3, Price=3, Supplier=mouser
Q10 Q16: "Bipolar Transistors - BJT 80V 300mW", Manufacturer="Diodes Incorporated", Supplier Part Number=621-MMBTA06-F, Manufacturer Part Number=MMBTA06-7-F, Price=0.22, Supplier=mouser
R1: library part WSLP39212L000FEA, "5W/ 2mohm±1%", Manufacturer="Vishay / Dale", Supplier Part Number=71-WSLP39212L000FEA, Manufacturer Part Number=WSLP39212L000FEA, Price=1.8, Supplier=mouser
R1ci R43: library part "47 kohm ±1% 0.1W", "47 kohm ±1% 0.1W", Manufacturer=Yageo, Manufacturer Part Number=RC0603FR-0747KL, Operating Temperature="-55°C to +155°C", Package / Case=0603, Power (Watts)=0.1, Supplier Part Number=603-RC0603FR-0747KL, Temperature Coefficient=+-200ppm°C, Tolerance=+-1%, Voltage (V)=75, Category=Resistor, Price=0.1, Resistor (Ohms)=47k, Supplier=mouser, Thickness (mm)=0.45
R1fs R1pb R4fs: library part RES_YAG_RC0603FR-074K7L, "Resistor 4.7k 0603 +-1% 0.1", Manufacturer=Yageo, Manufacturer Part Number=RC0603FR-074K7L, Operating Temperature="-55°C to +155°C", Package / Case=0603, Power (Watts)=0.1, Supplier Part Number=603-RC0603FR-074K7L, Temperature Coefficient=+-200ppm°C, Tolerance=+-1%, Voltage (V)=75, Category=Resistor, Part Number=RES_YAG_RC0603FR-074K7L, Price=0.1, Resistor (Ohms)=4.7k, Supplier=Mouser, Thickness (mm)=0.45
R1sl R2sl: library part RES_YAG_RC0603FR-07270RL, "Resistor 270 0603 +-1% 0.1", Manufacturer=Yageo, Manufacturer Part Number=RC0603FR-07270RL, Operating Temperature="-55°C to +155°C", Package / Case=0603, Power (Watts)=0.1, Supplier Part Number=603-RC0603FR-07270RL, Temperature Coefficient=+-200ppm°C, Tolerance=+-1%, Voltage (V)=75, Category=Resistor, Part Number=RES_YAG_RC0603FR-07270RL, Price=0.1, Resistor (Ohms)=270, Supplier=Mouser, Thickness (mm)=0.45
R2: library part "2.87 kohm ±1% 0.1W", "2.87 kohm ±1% 0.1W", Manufacturer=Yageo, Manufacturer Part Number=RC0603FR-072K87L, Operating Temperature="-55°C to +155°C", Package / Case=0603, Power (Watts)=0.1, Supplier Part Number=603-RC0603FR-072K87L, Temperature Coefficient=+-200ppm°C, Tolerance=+-1%, Voltage (V)=75, Category=Resistor, Price=0.1, Resistor (Ohms)=2.87k, Supplier=mouser, Thickness (mm)=0.45
R2fs R3fs R5fs: library part RES_YAG_RC0603FR-0710KL, "Resistor 10k 0603 +-1% 0.1", Manufacturer=Yageo, Manufacturer Part Number=RC0603FR-0710KL, Operating Temperature="-55°C to +155°C", Package / Case=0603, Power (Watts)=0.1, Supplier Part Number=603-RC0603FR-0710KL, Temperature Coefficient=+-200ppm°C, Tolerance=+-1%, Voltage (V)=75, Category=Resistor, Part Number=RES_YAG_RC0603FR-0710KL, Price=0.1, Resistor (Ohms)=10k, Supplier=Mouser, Thickness (mm)=0.45
R3 R4 R25 R26: library part "100 kohm ±1% 0.1W", "100 kohm ±1% 0.1W", Manufacturer=Yageo, Manufacturer Part Number=RC0603FR-07100KL, Operating Temperature="-55°C to +155°C", Package / Case=0603, Power (Watts)=0.1, Supplier Part Number=603-RC0603FR-07100KL, Temperature Coefficient=+-200ppm°C, Tolerance=+-1%, Voltage (V)=75, Category=Resistor, Price=0.1, Resistor (Ohms)=100k, Supplier=mouser, Thickness (mm)=0.45
R5 R9: library part "20.5 kohm ±1% 0.1W", "20.5 kohm ±1% 0.1W", Manufacturer=Yageo, Manufacturer Part Number=RC0603FR-0720K5L, Operating Temperature="-55°C to +155°C", Package / Case=0603, Power (Watts)=0.1, Supplier Part Number=603-RC0603FR-0720K5L, Temperature Coefficient=+-200ppm°C, Tolerance=+-1%, Voltage (V)=75, Category=Resistor, Price=0.1, Resistor (Ohms)=20.5k, Thickness (mm)=0.45
  R5: Supplier=mouser
  R9: Suppier=mouser
R6: library part WSLP3921L5000FEB, "9W/ 0.5mohm±1%", Manufacturer="Vishay / Dale", Supplier Part Number=71-WSLP3921L5000FEB, Manufacturer Part Number=WSLP3921L5000FEB, Price=2, Supplier=mouser
R7 R12: library part "2 kohm ±1% 0.1W", "2 kohm ±1% 0.1W", Manufacturer=Yageo, Manufacturer Part Number=RC0603FR-072KL, Operating Temperature="-55°C to +155°C", Package / Case=0603, Power (Watts)=0.1, Supplier Part Number=603-RC0603FR-072KL, Temperature Coefficient=+-200ppm°C, Tolerance=+-1%, Voltage (V)=75, Category=Resistor, Price=0.1, Resistor (Ohms)=2k, Supplier=mouser, Thickness (mm)=0.45
R8: library part "3.9 kohm ±1% 0.1W", "3.9 kohm ±1% 0.1W", Manufacturer=Yageo, Manufacturer Part Number=RC0603FR-073K9L, Operating Temperature="-55°C to +155°C", Package / Case=0603, Power (Watts)=0.1, Supplier Part Number=603-RC0603FR-073K9L, Temperature Coefficient=+-200ppm°C, Tolerance=+-1%, Voltage (V)=75, Category=Resistor, Price=0.1, Resistor (Ohms)=3.9k, Supplier=mouser, Thickness (mm)=0.45
R10: library part "35.7kohm ±1% 0.1W", "35.7kohm ±1% 0.1W", Manufacturer=Yageo, Manufacturer Part Number=RC0603FR-0735K7L, Operating Temperature="-55°C to +155°C", Package / Case=0603, Power (Watts)=0.1, Supplier Part Number=603-RC0603FR-0735K7L, Temperature Coefficient=+-200ppm°C, Tolerance=+-1%, Voltage (V)=75, Category=Resistor, Price=0.1, Resistor (Ohms)=35.7k, Supplier=mouser, Thickness (mm)=0.45
R11 R15 R16 R17: library part "5.1kohm ±1% 0.1W", "5.1kohm ±1% 0.1W", Manufacturer=Yageo, Manufacturer Part Number=RC0603FR-075K1L, Operating Temperature="-55°C to +155°C", Package / Case=0603, Power (Watts)=0.1, Supplier Part Number=603-RC0603FR-075K1L, Temperature Coefficient=+-200ppm°C, Tolerance=+-1%, Voltage (V)=75, Category=Resistor, Price=0.1, Resistor (Ohms)=5.1k, Supplier=mouser, Thickness (mm)=0.45
R13 R18: library part "330 kohm ±1% 0.1W", "330 kohm ±1% 0.1W", Manufacturer=Yageo, Manufacturer Part Number=RC0603FR-07330KL, Operating Temperature="-55°C to +155°C", Package / Case=0603, Power (Watts)=0.1, Supplier Part Number=603-RC0603FR-07330KL, Temperature Coefficient=+-200ppm°C, Tolerance=+-1%, Voltage (V)=75, Category=Resistor, Price=0.1, Resistor (Ohms)=330k, Supplier=mouser, Thickness (mm)=0.45
R14: library part "3.6kohm ±1% 0.1W", "3.6kohm ±1% 0.1W", Manufacturer=Yageo, Manufacturer Part Number=RC0603FR-073K6L, Operating Temperature="-55°C to +155°C", Package / Case=0603, Power (Watts)=0.1, Supplier Part Number=603-RC0603FR-073K6L, Temperature Coefficient=+-200ppm°C, Tolerance=+-1%, Voltage (V)=75, Category=Resistor, Price=0.1, Resistor (Ohms)=3.6k, Supplier=mouser, Thickness (mm)=0.45
R19 R21: library part RES, "0.1W/ 2.2 ohm±1%", Manufacturer=Yageo, Manufacturer Part Number=RC0603FR-072R2L, Supplier Part Number=603-RC0603FR-072R2L, Price=0.1, Supplier=mouser
R20 R22 R51: library part RES, "0.1W/ 10kohm±1%", Manufacturer=Yageo, Manufacturer Part Number=RC0603FR-0710KL, Supplier Part Number=603-RC0603FR-0710KL, Price=0.1, Supplier=mouser
R23 R24: library part RES, "0.1W/ 20 ohm±1%", Manufacturer=Yageo, Manufacturer Part Number=RC0603FR-0720RL, Supplier Part Number=603-RC0603FR-0720RL, Price=0.1, Supplier=mouser
R27 R28 R31 R32: library part "10 ohm ±1% 0.1W", "10 ohm ±1% 0.1W", Manufacturer=Yageo, Manufacturer Part Number=RC0603FR-0710RL, Operating Temperature="-55°C to +155°C", Package / Case=0603, Power (Watts)=0.1, Supplier Part Number=603-RC0603FR-0710RL, Temperature Coefficient=+-200ppm°C, Tolerance=+-1%, Voltage (V)=75, Category=Resistor, Price=0.1, Resistor (Ohms)=10R, Supplier=mouser, Thickness (mm)=0.45
R29 R30: library part "10 kohm ±1% 0.1W", "10 kohm ±1% 0.1W", Manufacturer=Yageo, Manufacturer Part Number=RC0603FR-0710KL, Operating Temperature="-55°C to +155°C", Package / Case=0603, Power (Watts)=0.1, Supplier Part Number=603-RC0603FR-0710KL, Temperature Coefficient=+-200ppm°C, Tolerance=+-1%, Voltage (V)=75, Category=Resistor, Price=0.1, Resistor (Ohms)=10k, Suppier=mouser, Thickness (mm)=0.45
R33 R34: library part RES, "0.1W/ 5.36kohm±1%", Manufacturer=Yageo, Manufacturer Part Number=RC0603FR-075K36L, Supplier Part Number=603-RC0603FR-075K36L, Price=0.1, Supplier=mouser
R35 R37: library part RES, "0.1W/ 43.2kohm±1%", Manufacturer=Yageo, Manufacturer Part Number=RC0603FR-0743K2L, Supplier Part Number=603-RC0603FR-0743K2L, Price=0.1, Supplier=mouser
R36 R38: library part RES, "0.1W/ 332kohm±1%", Manufacturer=Yageo, Manufacturer Part Number=RC0603FR-07332KL, Supplier Part Number=603-RC0603FR-07332KL, Price=0.1, Supplier=mouser
R39: library part "0.5 ohm ±1% 0.5W", "0.5 ohm ±1% 0.5W", Manufacturer="SEI Stackpole", Manufacturer Part Number=CSR1206FKR500, Supplier Part Number=708-CSR1206FKR500, Price=0.3, Supplier=mouser
R40: library part "180 ohm ±1% 0.1W", "180 ohm ±1% 0.1W", Manufacturer=Yageo, Manufacturer Part Number=RC0603FR-07180RL, Operating Temperature="-55°C to +155°C", Package / Case=0603, Power (Watts)=0.1, Supplier Part Number=603-RC0603FR-07180RL, Temperature Coefficient=+-200ppm°C, Tolerance=+-1%, Voltage (V)=75, Category=Resistor, Price=0.1, Resistor (Ohms)=180R, Supplier=mouser, Thickness (mm)=0.45
R41 R42: library part RES, "0.1W/ 7.87kohm±1%", Manufacturer=Yageo, Manufacturer Part Number=RC0603FR-077K87L, Supplier Part Number=603-RC0603FR-077K87L, Price=0.1, Supplier=mouser
R44 R45: library part RES, "0.1W/ 51kohm±1%", Manufacturer=Yageo, Manufacturer Part Number=RC0603FR-0751KL, Supplier Part Number=603-RC0603FR-0751KL, Price=0.1, Supplier=mouser
R46: library part "6.98kohm ±1% 0.1W", "6.98kohm ±1% 0.1W", Manufacturer=Yageo, Manufacturer Part Number=RC0603FR-076K98L, Supplier Part Number=603-RC0603FR-076K98L, Price=0.1, Supplier=mouser
R47: library part "3kohm ±1% 0.1W", "3kohm ±1% 0.1W", Manufacturer=Yageo, Manufacturer Part Number=RC0603FR-073KL, Price=0.1, Supplier=Mouser, Supplier Part Number=RC0603FR-073KL
R48: library part "2.2 kohm ±1% 0.1W", "2.2 kohm ±1% 0.1W", Manufacturer=Yageo, Manufacturer Part Number=RC0603FR-072K2L, Operating Temperature="-55°C to +155°C", Package / Case=0603, Power (Watts)=0.1, Supplier Part Number=603-RC0603FR-072K2L, Temperature Coefficient=+-200ppm°C, Tolerance=+-1%, Voltage (V)=75, Category=Resistor, Price=0.1, Resistor (Ohms)=2.2k, Supplier=mouser, Thickness (mm)=0.45